# Allegro board RK_EVB1_RK3576_LP4XD200P132SD6_V12_20240530YWQ.brd (continued)
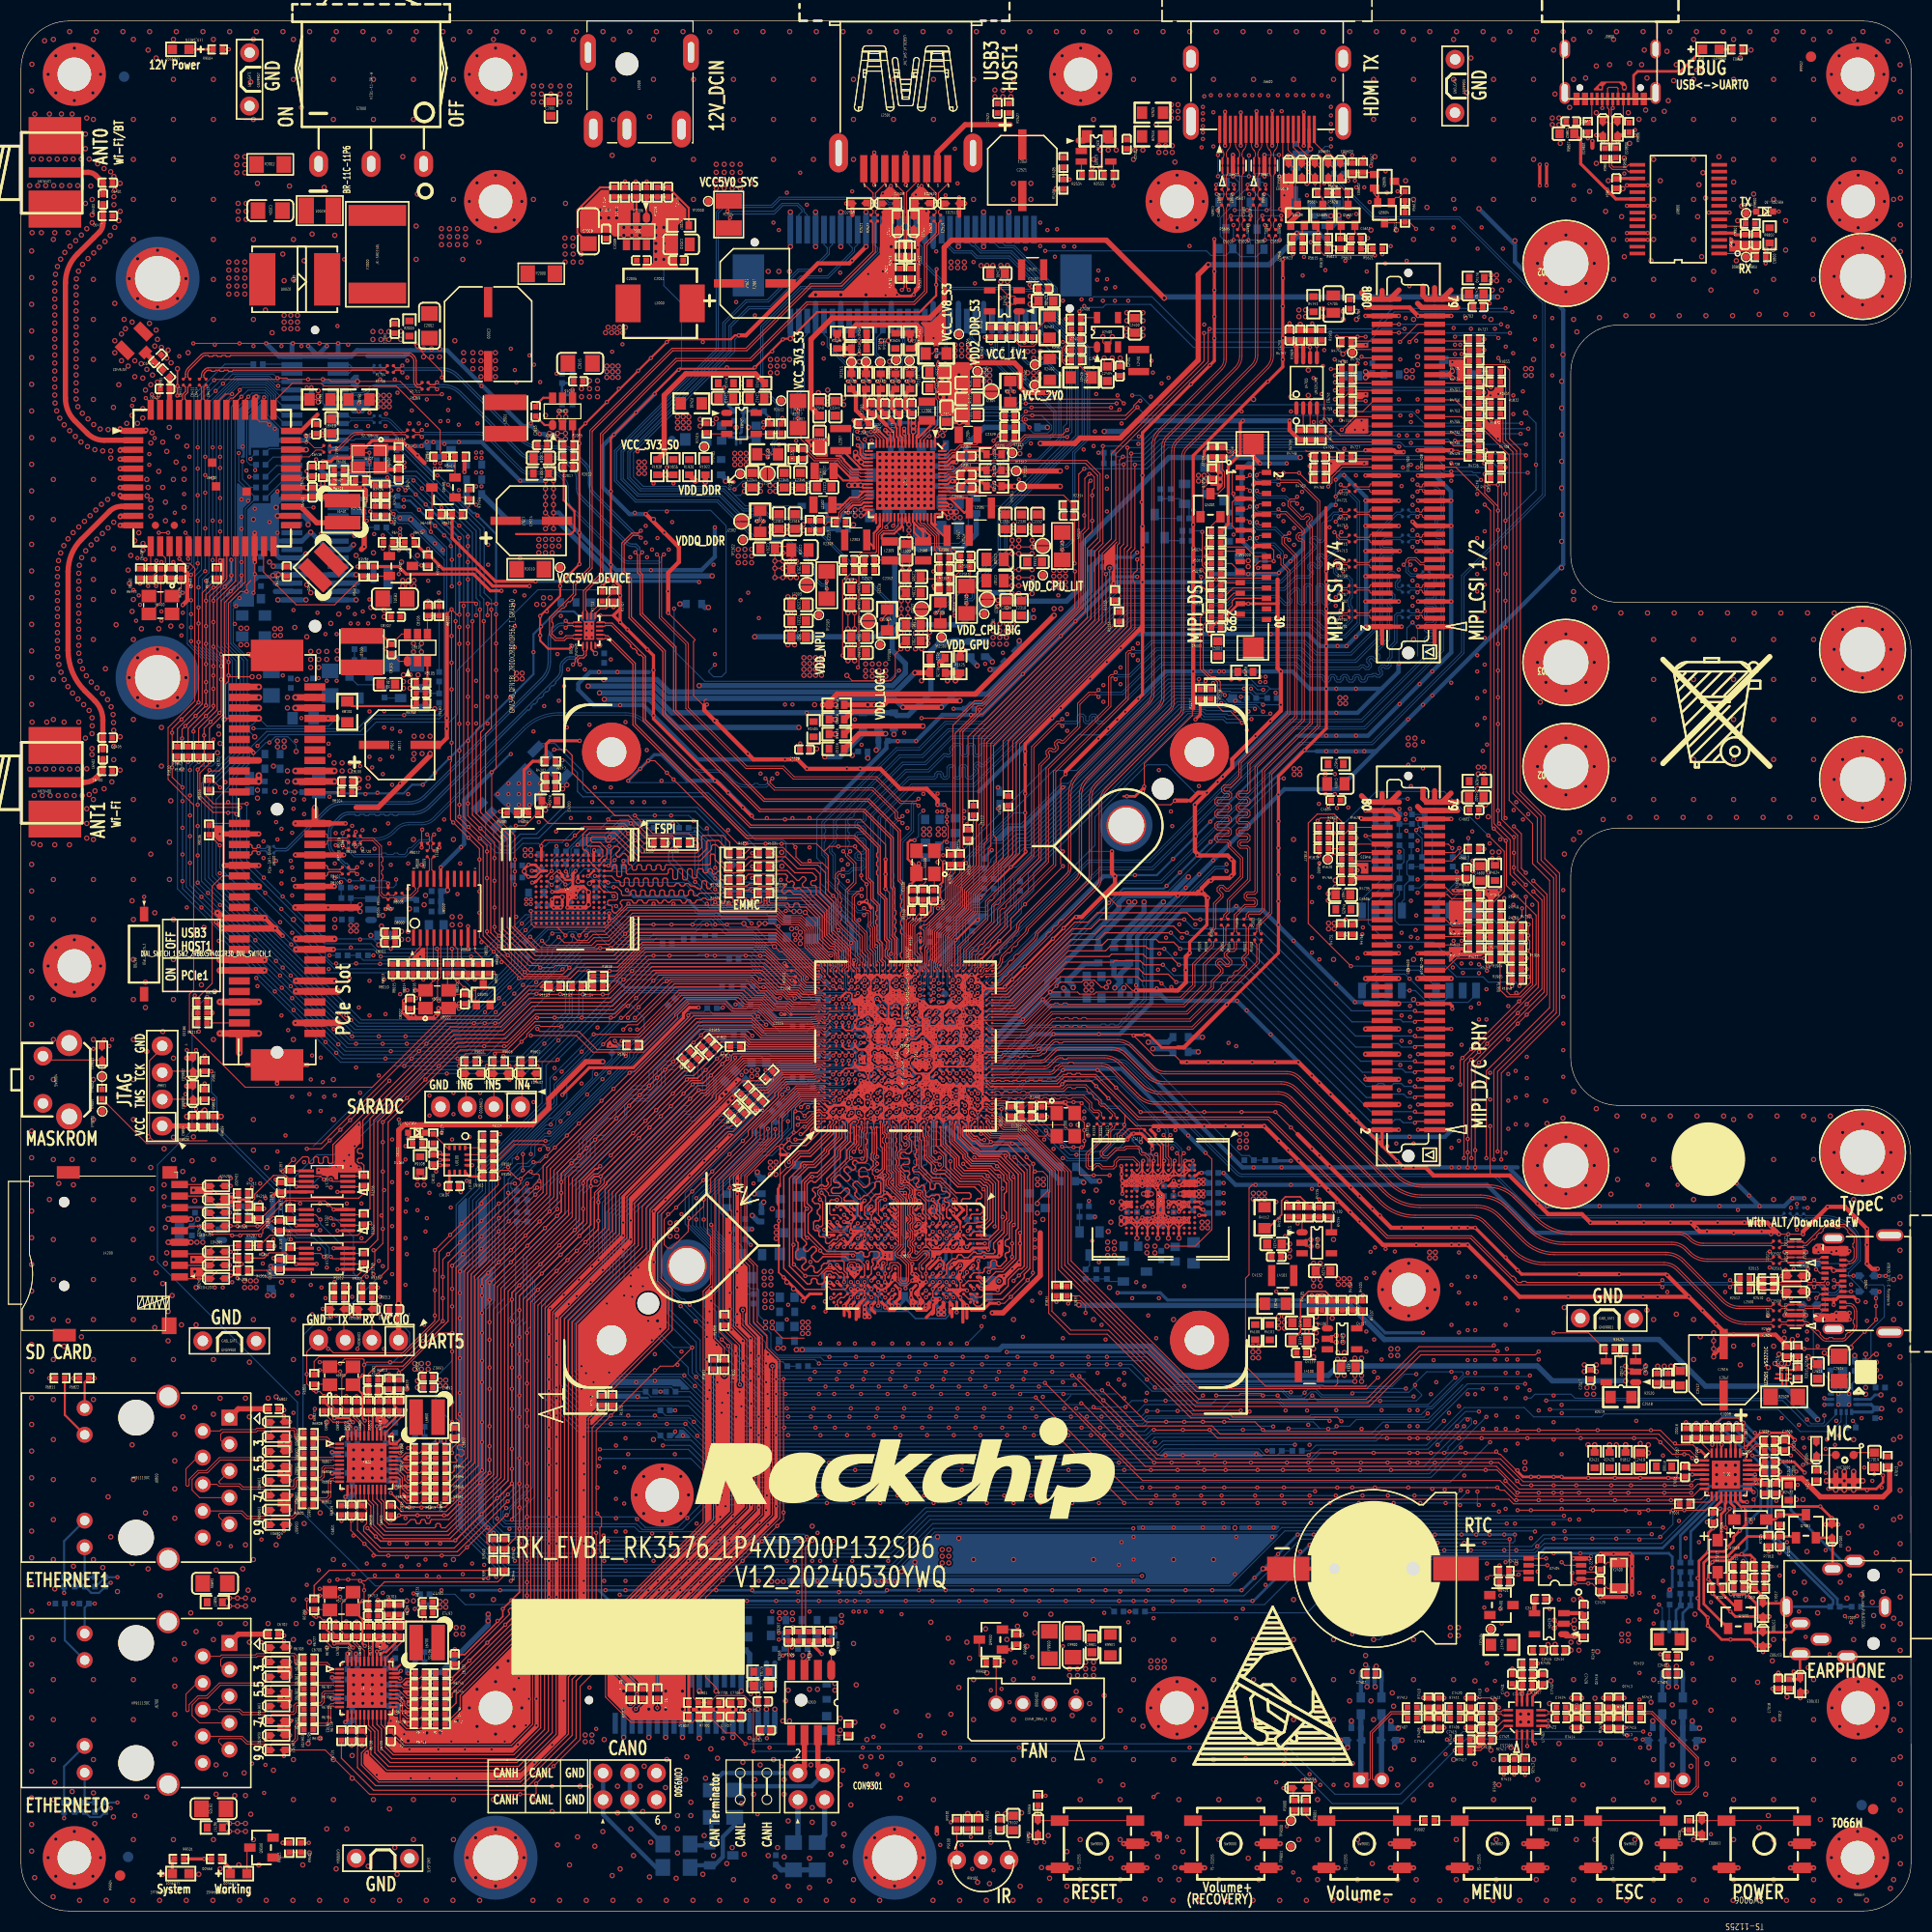
[diagram p0: board, top side]
## Copper pours and planes (outline as drawn; the poured copper is in the pictures) (continued)
VCC1V8_UFS_VCCQ2_S0_P on BOTTOM: 106.59,61.41 106.59,60.4 106.85,60.14 112.18,60.14 112.44,60.4 112.44,62.17 112.31,62.3 107.48,62.3
VCC3V3_CAN on TOP: 71.03,17.6 71.03,16.96 72.3,15.69 73.45,15.69 73.57,15.82 73.57,18.11 73.32,18.36 71.8,18.36
VCC3V3_CAN on BOTTOM: 72.3,17.85 72.3,18.49 72.49,18.68 75.16,18.68 76.24,19.76 76.24,20.39 76.37,20.52 77.26,20.52 77.38,20.39 77.38,18.23 77.13,17.98 76.11,17.98 75.86,17.72 72.43,17.72
VCC3V3_CLK on TOP: 37.38,93.67 35.47,93.67 35.35,93.54 35.35,91.89 35.47,91.77 37.38,91.77 37.51,91.89 37.51,93.54
VCC3V3_CLK on BOTTOM: 38.01,94.81 35.6,94.81 34.97,94.18 34.97,92.4 35.09,92.27 38.27,92.27 39.41,93.42 39.41,95.45 39.28,95.58 38.78,95.58
VCC3V3_CLK on L4-SIG: 38.01,93.92 36.24,93.92 35.85,93.54 35.85,88.84 36.62,88.08 42.08,88.08 42.84,88.84 42.84,89.1
VCC3V3_EMMC_S0 on BOTTOM: 50.46,96.72 51.35,96.72 51.98,97.35 51.98,97.48 52.87,98.37 53.38,98.37 53.76,97.99 53.76,97.35 53.63,97.23 52.62,97.23 52.49,97.1 52.49,96.72 51.98,96.72 51.6,96.34 51.6,95.58 51.48,95.45 49.82,95.45 49.82,96.08 49.44,96.46 49.44,97.35 49.57,97.48 50.08,97.48 50.21,97.35 50.21,96.97
VCC3V3_FSUSB_S0 on BOTTOM: 24.17,60.4 25.31,61.54 25.31,61.79 24.81,61.79 24.17,61.16 23.54,61.16 23.41,61.03 23.41,60.4
VCC3V3_GMA340_S0 on BOTTOM: 54.4,119.58 54.4,119.83 54.65,120.09 55.29,120.09 55.54,120.34 55.54,123.64 55.03,124.15 52.49,124.15 52.49,125.17 52.62,125.29 55.79,125.29 56.68,124.4 56.68,120.34 55.79,119.45 54.52,119.45
VCC3V3_LCD_S0 on TOP: 117.11,128.75 117.13,128.72 117.13,127.83 117.01,127.71 116.88,127.71 116.63,127.96 115.48,127.96 115.36,128.09 115.36,128.85 115.48,128.98 117.01,128.98 117.13,128.85 117.13,128.78
VCC3V3_LCD_S0 on BOTTOM: 115.61,130.63 114.72,130.63 114.47,130.37 114.47,129.61 115.74,128.34 116.37,128.34 116.63,128.09 116.63,127.96 116.75,127.83 117.39,127.83 117.9,128.34 117.9,128.85 117.77,128.98 117.26,128.98
VCC3V3_PCIE1 on TOP: 30.9,107.26 29.5,107.26 29.25,107.51 29.25,109.67 29.38,109.67 29.76,110.05 29.76,112.59 30.39,113.23 30.39,113.74 30.52,113.86 33.06,113.86 35.16,111.77 35.16,110.69 34.9,110.43 33.06,110.43 31.92,109.29 31.92,108.4 31.79,108.28 31.16,108.28 30.9,108.02
VCC3V3_PCIE1 on TOP: 22.27,110.05 22.01,109.8 22.01,108.91 22.14,108.78 23.03,108.78 23.28,108.53 23.28,107.39 23.54,107.13 26.71,107.13 26.71,109.93 26.58,110.05
VCC3V3_PCIE1 on BOTTOM: 31.16,107.26 31.66,107.77 31.66,109.55 31.54,109.67 29.63,109.67 29.38,109.42 23.92,109.42 23.79,109.29 23.79,107.51 24.04,107.26
VCC3V3_PCIE1_P on TOP: 30.52,114.63 33.95,114.63 34.58,115.26 34.58,119.07 34.33,119.32 30.52,119.32 30.39,119.2 30.39,114.75
VCC3V3_PCIEWL_VBAT on TOP: 24.81,140.79 26.84,140.79 27.47,141.42 30.9,141.42 31.79,142.31 31.79,144.47 31.54,144.72 29,144.72 28.87,144.6 28.87,143.07 28.74,142.95 26.33,142.95 24.81,141.42
VCC3V3_PHY0 on BOTTOM: 35.09,26.36 35.6,26.87 37.32,25.15 37.7,25.15 37.86,24.99 37.86,24.2 37,24.2 36.36,23.57 36.36,22.68 36.24,22.55 35.47,22.55 35.35,22.68 35.35,25.46 35.39,25.55 35.4,25.64 35.3,25.89 35.05,26 34.89,25.96 34.76,25.85 31.92,25.85 31.48,25.42 31.47,25.41 31.32,25.28 31.26,25.09 31.3,24.93 31.41,24.81 31.41,23.82 31.28,23.69 29.89,23.69 28.87,22.68 28.87,19.88 30.27,18.49 31.79,18.49 31.92,18.36 31.92,17.72 31.79,17.6 29.63,17.6 27.98,19.25 27.98,23.19 29.92,25.13 29.94,25.13 30.09,25.22 30.18,25.38 30.19,25.39 31.16,26.36
VCC3V3_PHY1 on BOTTOM: 35.35,48.08 35.6,48.33 37.32,46.62 37.7,46.62 37.86,46.45 37.86,45.66 37,45.66 36.93,45.6 36.93,44.97 36.36,44.39 36.36,44.14 36.24,44.01 35.47,44.01 35.35,44.14 35.35,46.92 35.39,47.01 35.4,47.11 35.3,47.35 35.05,47.46 34.89,47.42 34.76,47.32 31.92,47.32 31.48,46.88 31.47,46.88 31.32,46.75 31.26,46.55 31.3,46.39 31.41,46.27 31.41,45.28 31.28,45.16 30.9,45.16 30.65,45.41 30.14,45.41 28.87,44.14 28.87,41.35 30.27,39.95 31.79,39.95 31.92,39.82 31.92,39.19 31.79,39.06 29.63,39.06 27.98,40.71 27.98,44.65 29.92,46.59 29.94,46.59 30.09,46.69 30.18,46.84 30.19,46.85 31.41,48.08
VCC3V3_RTC_S5 on TOP: 140.5,28.65 139.36,28.65 139.11,28.39 139.11,24.96 139.49,24.58 140.5,24.58 140.63,24.71 140.63,28.52
VCC3V3_RTC_S5_P on TOP: 144.69,26.74 142.03,26.74 141.39,26.11 141.39,24.58 141.52,24.46 144.19,24.46 144.31,24.58 144.31,25.34 144.69,25.73
VCC3V3_SD_S0 on TOP: 14.01,64.21 17.31,64.21 17.57,63.95 17.57,63.57 17.31,63.32 13.88,63.32 13.63,63.57 13.63,63.83
VCC3V3_SD_S0 on BOTTOM: 17.57,64.59 14.14,64.59 13.76,64.21 13.76,63.19 13.88,63.06 19.6,63.06 19.85,63.32 19.85,63.95 19.6,64.21 17.95,64.21
VCC3V3_SENSOR_S0 on TOP: 37.38,71.83 37.25,71.95 37.25,72.72 38.78,72.72 38.9,72.84 38.9,73.35 39.03,73.48 39.41,73.48 40.17,72.72 40.17,71.95 40.05,71.83
VCC3V3_SENSOR_S0 on L4-SIG: 39.66,71.95 39.79,71.83 40.05,71.83 40.3,71.57 40.3,68.4 40.43,68.27 40.81,68.27 40.93,68.4 40.93,70.18 41.44,70.68 43.73,70.68 45.76,72.72 45.76,73.35 45.63,73.48 44.49,73.48 43.47,72.46 39.79,72.46 39.66,72.33
VCC3V3AUX_PCIE1 on TOP: 22.01,107.26 22.9,107.26 23.03,107.39 23.03,108.15 22.77,108.4 22.39,108.4 21.76,107.77 21.76,107.51
VCC3V3AUX_PCIE1 on BOTTOM: 21.5,107.39 21.25,107.64 21.25,108.4 22.77,109.93 22.77,110.43 23.03,110.69 23.54,110.69 23.6,110.62 23.6,107.32 23.54,107.26 22.65,107.26 22.52,107.39
VCC5V0_DEVICE_S0 on TOP: 51.48,130.88 51.73,130.63 51.73,127.33 51.22,126.82 48.81,126.82 48.68,126.94 48.68,130.75 48.81,130.88
VCC5V0_DEVICE_S0 on TOP: 156.5,24.96 156.5,26.61 156.38,26.74 152.31,26.74 152.19,26.61 152.19,24.96 152.31,24.84 156.38,24.84
VCC5V0_DEVICE_S0 on TOP: 117.01,118.56 116.88,118.44 116.88,117.42 117.52,116.78 118.66,116.78 118.79,116.91 118.79,118.31 118.53,118.56
VCC5V0_DEVICE_S0 on TOP: 125.52,116.02 125.26,115.77 125.26,114.88 129.33,110.82 132.88,110.82 133.01,110.94 133.01,111.96 128.95,116.02
VCC5V0_DEVICE_S0 on TOP: 108.37,172.41 108.12,172.16 108.12,170.76 108.44,170.44 110.34,170.44 110.4,170.51 110.4,172.28 110.28,172.41
VCC5V0_DEVICE_S0 on TOP: 151.68,48.08 149.14,48.08 148.76,48.46 148.76,50.74 148.88,50.87 151.55,50.87 151.93,50.49 151.93,48.33
VCC5V0_DEVICE_S0 on TOP: 140.63,156.15 139.11,156.15 138.85,155.9 138.85,154.88 140.76,154.88 140.88,155.01 140.88,155.9
VCC5V0_DEVICE_S0 on TOP: 139.61,107.13 139.74,107.26 139.74,109.16 139.61,109.29 138.72,109.29 138.47,109.04 138.47,107.39 138.72,107.13
VCC5V0_DEVICE_S0 on BOTTOM: 120.82,117.8 117.9,117.8 117.77,117.67 117.77,117.04 118.02,116.78 119.93,116.78 122.09,114.63 126.28,114.63 126.41,114.75 126.41,115.9 126.28,116.02 122.6,116.02
VCC5V0_DEVICE_S0 on BOTTOM: 33.82,94.81 31.28,94.81 31.16,94.69 31.16,93.16 31.28,93.04 32.81,93.04 33.95,94.18 33.95,94.69
VCC5V0_DEVICE_S0 on BOTTOM: 72.18,28.65 72.05,28.52 72.05,27.38 72.18,27.25 74.59,27.25 74.72,27.38 74.72,28.27 74.34,28.65
VCC5V0_DEVICE_S0 on L3-POWER: 37.32,69.1 70.72,35.69 70.72,31.63 70.78,31.57 70.78,31.44 71.48,30.74 73.51,30.74 73.83,30.42 73.83,27.25 73.19,26.61 68.75,26.61 49.06,46.3 49.06,48.59 26.58,71.06 26.58,113.86 26.65,113.93 26.65,123.96 28.49,125.8 37.63,125.8 38.14,126.31 38.14,126.69 44.74,133.29 44.74,151.84 49.22,156.31 53.25,156.31 53.87,156.93 53.87,160.09 53.57,160.39 53.57,171.71 55.41,173.55 57.7,173.55 62.52,178.38 130.85,178.38 142.85,166.38 142.85,145.61 144.69,143.77 144.69,121.1 143.93,120.34 143.93,114.24 143.87,114.18 143.87,113.67 139.74,109.55 139.74,94.94 139.87,94.81 139.87,66.87 150.66,56.08 150.66,49.35 150.54,49.35 150.03,48.84 147.11,48.84 140.88,55.06 140.88,59.38 133.52,66.75 133.52,108.08 131.87,109.74 131.87,112.09 137.96,118.18 137.96,141.42 135.3,144.09 135.3,150.57 135.33,150.6 125.26,160.66 125.26,166.57 124.06,167.77 124.06,171.33 123.23,172.16 110.91,172.16 110.53,171.78 110.53,169.87 110.15,169.49 67.73,169.49 64.68,166.44 64.68,153.23 63.99,152.53 56.24,152.53 54.14,150.44 54.14,140.03 51.48,137.36 51.48,129.74 50.71,128.98 46.65,128.98 36.62,118.94 36.62,97.29 37.32,96.59
VCC5V0_DEVICE_S0 on L4-SIG: 152.06,50.49 149.14,50.49 148.76,50.11 148.76,46.05 148.12,45.41 148.12,43.76 148.76,43.12 148.76,26.87 150.54,25.09 152.95,25.09 153.33,25.47 153.33,26.49 152.44,27.38 152.44,50.11
VCC5V0_DEVICE_S0_P on TOP: 45.13,126.94 44.74,127.33 44.74,139.01 43.98,139.77 43.98,141.42 44.11,141.55 48.05,141.55 49.44,140.15 49.44,134.44 48.43,133.42 48.43,127.07 48.3,126.94
VCC5V0_HDMI on BOTTOM: 121.33,164.28 121.71,164.28 122.09,163.9 122.09,163.14 122.21,163.01 123.36,163.01 123.48,162.89 123.48,160.35 123.36,160.22 122.59,160.22 121.07,161.74 121.07,164.03
VCC5V0_SYS_S5 on TOP: 126.79,61.92 126.79,59.51 126.66,59.38 125.14,59.38 124.25,60.27 124.25,62.94 125.77,62.94
VCC5V0_SYS_S5 on TOP: 147.49,26.61 146.47,26.61 146.34,26.49 146.34,25.98 146.73,25.6 146.73,24.58 146.85,24.46 149.14,24.46 149.39,24.71 149.39,26.23 149.14,26.49 147.61,26.49
VCC5V0_SYS_S5 on TOP: 79.19,132.78 79.21,132.83 79.21,132.89 79.2,132.98 79.17,133.06 79.16,133.07 79.16,133.38 79.38,133.59 79.99,133.59 80.07,133.6 80.14,133.63 80.18,133.65 80.28,133.55 80.28,132.79 80.15,132.66 79.29,132.66 79.19,132.76
VCC5V0_SYS_S5 on TOP: 83.78,129.92 83.78,130.8 84.14,131.16 84.15,131.16 84.23,131.22 84.29,131.3 84.29,131.3 84.34,131.35 84.34,131.37 84.34,132 84.49,132.15 84.6,132.15 84.75,132 84.75,130.06 84.83,129.98 84.72,129.87 83.84,129.87
VCC5V0_SYS_S5 on TOP: 76.72,135.2 76.72,136.09 76.75,136.11 78.06,136.11 78.14,136.03 78.31,136.03 78.36,135.99 79.5,135.99 79.54,135.97 79.54,135.6 79.46,135.53 78.29,135.53 77.83,135.07 77.49,135.07 77.49,135.07 76.85,135.07
VCC5V0_SYS_S5 on TOP: 92.81,153.92 91.3,153.92 91.23,154 91.23,156.92 91.28,156.97 92.7,156.97 92.88,156.79 92.88,153.99
VCC5V0_SYS_S5 on TOP: 68.75,162.12 69,162.38 69,166.31 68.75,166.57 64.94,166.57 64.81,166.44 64.81,162.25 64.94,162.12
VCC5V0_SYS_S5 on TOP: 108.12,169.49 108.12,167.33 108.24,167.2 109.77,167.2 109.9,167.33 109.9,169.49 109.77,169.62 108.24,169.62
VCC5V0_SYS_S5 on TOP: 104.05,151.33 104.05,152.34 104.18,152.47 106.97,152.47 107.1,152.34 107.1,151.2 104.18,151.2
VCC5V0_SYS_S5 on TOP: 126.79,50.24 126.68,50.34 126.68,50.36 126.68,50.43 126.66,50.49 126.66,50.87 126.68,51 126.68,51.06 126.66,51.13 126.66,52.42 126.68,52.55 126.68,52.61 126.66,52.68 126.66,53.79 127.8,53.79 127.8,52.9 127.93,52.78 127.93,50.36 127.8,50.24
VCC5V0_SYS_S5 on TOP: 87.79,133.05 87.79,133.14 87.9,133.24 88.2,133.24 88.2,133.85 88.29,133.94 88.43,133.79 88.53,133.89 88.77,133.89 89.66,133 89.66,132.56 89.58,132.48 88.36,132.48
VCC5V0_SYS_S5 on TOP: 86.91,140.79 87.44,141.33 87.5,141.41 87.52,141.51 87.52,141.83 87.67,141.98 87.67,142.18 88.66,142.18 88.66,141.17 87.49,140 87.49,139.66 87.48,139.64 87.29,139.64 87.29,140.15 87.18,140.25 86.96,140.25 86.94,140.28 86.91,140.31
VCC5V0_SYS_S5 on BOTTOM: 78.4,138.25 79.29,139.14 79.69,139.14 79.8,139.03 80.43,139.03 80.54,138.92 80.54,138.11 80.13,137.69 80.13,134.06 80.94,134.06 81.32,133.68 81.32,132.28 79.67,132.28 79.23,132.71 79.23,132.8 79.22,132.86 79.19,132.92 79.19,133.29 79.16,133.29 79.03,133.42 78.53,133.42 78.4,133.55
VCC5V0_SYS_S5 on BOTTOM: 84.26,131.89 84.62,132.25 86.02,132.25 86.38,131.9 86.38,130.75 86.13,130.51 84.5,130.51 84.26,130.74
VCC5V0_SYS_S5 on BOTTOM: 88.17,133.29 88.3,133.42 88.3,134.46 88.64,134.8 88.7,134.82 89.71,134.82 89.93,134.6 89.93,131.26 89.68,131.01 88.79,131.01 88.3,131.5 88.3,132.39 88.29,132.43 88.28,132.47 88.28,132.53 88.17,132.65
VCC5V0_SYS_S5 on BOTTOM: 84.7,140.71 84.7,142.16 84.82,142.28 85.89,142.28 86.27,141.9 86.27,140.7 86.2,140.59 86.18,140.44 86.02,140.28 85.13,140.28
VCC5V0_SYS_S5 on BOTTOM: 86.87,140.54 86.87,141.04 87.1,141.27 88.97,141.27 89.42,140.81 89.42,137.87 89.3,137.74 88.98,137.74 88.86,137.83 88.71,137.87 88.69,137.87 88.65,137.91 88.64,137.93 88.58,138.04 88.46,138.09 88.44,138.09 88.41,138.12 88.03,138.12 87.9,138.25 87.9,139.31 87.94,139.31 87.94,139.94 87.9,139.94 87.9,140.03 87.65,140.28 87.24,140.28 87.2,140.29 87.17,140.29 87.02,140.29 86.88,140.44 86.88,140.5
VCC5V0_SYS_S5 on L3-POWER: 148.5,24.46 148.63,24.58 148.63,28.14 148.38,28.39 136.57,28.39 135.55,27.38 135.55,24.71 135.8,24.46
VCC5V0_SYS_S5 on L3-POWER: 89.7,133.42 88.18,134.95 88.18,137.61 88.31,137.74 89.19,137.74 89.32,137.87 89.32,140.66 87.67,142.31 84.88,142.31 84.62,142.06 84.62,140.66 84.24,140.28 82.34,140.28 81.57,141.04 81.57,147.9 86.27,152.6 87.29,152.6 87.67,152.98 87.67,155.77 87.73,155.84 87.73,156.98 88.31,157.55 90.08,157.55 91.35,156.28 99.74,156.28 105.07,150.95 112.69,150.95 112.94,151.2 119.29,151.2 128.44,142.06 128.44,120.47 126.98,119.01 126.98,114.56 126.41,113.99 126.41,95.7 126.72,95.38 126.72,72.84 125.14,71.25 125.14,59.13 127.42,56.84 127.42,54.17 126.79,53.54 126.79,50.24 126.91,50.11 130.85,50.11 135.55,54.81 135.55,60.27 131.99,63.83 131.99,86.69 133.39,88.08 133.39,107.89 131.74,109.55 131.74,112.34 137.58,118.18 137.58,141.55 135.11,144.03 135.11,150.63 125.01,160.73 125.01,161.74 124.88,161.87 124.63,161.87 121.58,158.82 115.36,158.82 113.2,160.98 113.2,165.17 109.26,169.11 67.6,169.11 64.81,166.31 64.81,150.57 66.08,149.3 72.81,149.3 73.57,148.53 73.57,144.34 73,143.77 73,139.71 75.99,136.72 75.99,134.31 79.67,130.63 84.88,130.63 86.65,132.41 89.58,132.41 89.7,132.53
VCC5V0_SYS_S5 on L4-SIG: 135.68,25.85 137.07,25.85 137.33,26.11 137.33,34.11 131.49,39.95 131.49,49.73 132.37,50.62 132.37,53.41 131.74,54.05 130.22,54.05 129.83,53.67 129.83,50.49 128.06,48.71 128.06,33.47
VCC5V0_SYS_S5_P on TOP: 65.45,151.07 62.91,151.07 62.78,151.2 62.78,160.47 63.29,160.98 68.62,160.98 68.94,160.66 68.94,154.57
VCC5V0_USB3_HOST1 on TOP: 87.59,167.35 87.59,164.69 86.96,164.69 86.96,170.17 88.3,171.52 94.92,171.52 95.8,170.63 101.64,170.63 102.02,170.25 102.02,168.35 101.89,168.22 100.24,168.22 99.74,167.71 99.74,166.82 99.61,166.7 94.02,166.7 91.1,169.62 89.85,169.62
VCC5V_FT232_DEBUG on TOP: 148.76,170.76 149.27,171.27 149.27,173.3 150.41,174.44 152.69,174.44 153.08,174.06 153.08,173.55 153.46,173.17 153.46,172.03 153.58,171.9 153.84,171.9 153.96,172.03 153.96,173.17 153.84,173.3 153.84,173.93 154.22,174.32 154.22,175.08 153.96,175.33 150.41,175.33 149.14,174.06 149.14,173.81 148.69,173.36 148.69,171.84 148.31,171.46 148.06,171.46 147.74,171.14 147.74,170 147.36,169.62 147.36,166.95 151.42,162.89 153.2,162.89 153.2,163.14 152.82,163.52 151.81,163.52 148.76,166.57
VCC5V_HDMI_TX on BOTTOM: 122.72,168.22 122.98,168.22 123.23,167.97 123.23,167.84 122.53,167.14 122.15,167.14 121.83,166.82 121.83,164.69 121.71,164.56 121.43,164.56 121.4,164.54 121.07,164.54 120.82,164.79 120.82,166.7 121.07,166.95 121.07,167.46 121.33,167.71 122.21,167.71 122.31,167.81 122.32,167.81 122.42,167.88 122.49,167.98 122.49,167.99
VCC12_VDCIN on TOP: 38.14,164.92 41.32,164.92 42.59,166.19 55.29,166.19 55.54,166.44 55.54,171.14 55.22,171.46 39.09,171.46 37.25,169.62 37.25,165.81
VCC12V_DCIN on TOP: 123.48,152.73 121.58,152.73 121.45,152.6 121.45,151.71 121.58,151.58 123.48,151.58 123.61,151.71 123.61,152.6
VCC12V_DCIN on TOP: 37.51,121.1 38.01,121.1 38.01,122.25 38.27,122.5 38.27,126.82 38.14,126.94 36.24,126.94 35.85,126.56 35.85,122.88 36.11,122.63 37,122.63 37.51,122.12
VCC12V_DCIN on TOP: 124.91,108.85 124.91,109.74 124.66,109.99 122.15,109.99 120.94,108.78 120.94,107.89 121.07,107.77 121.96,107.77 122.92,108.73 124.78,108.73
VCC12V_DCIN on TOP: 56.05,159.58 56.37,159.27 57.89,159.27 58.08,159.08 58.08,158.19 55.79,155.9 55.79,151.84 55.29,151.33 55.29,148.92 55.03,148.66 53.51,148.66 52.87,148.03 52.87,145.49 52.75,145.36 52.36,145.36 51.86,144.85 51.86,143.71 51.22,143.71 51.22,144.72 50.46,145.49 50.08,145.49 49.95,145.61 49.95,158.57 50.97,159.58
VCC12V_DCIN on TOP: 103.16,24.84 102.91,24.58 102.91,22.55 103.04,22.42 108.5,22.42 109.2,23.12 109.2,24.26 108.63,24.84
VCC12V_DCIN on BOTTOM: 32.93,117.04 35.22,117.04 36.62,118.44 36.62,120.47 38.14,121.99 38.14,126.82 38.01,126.94 36.24,126.94 36.11,126.82 36.11,124.28 32.3,120.47 32.3,117.67
VCC12V_DCIN on L3-POWER: 53.63,159.84 53.38,160.09 46.01,160.09 40.55,154.63 40.55,144.6 40.17,144.22 40.17,140.41 40.55,140.03 40.55,137.23 36.62,133.29 34.33,133.29 33.82,132.79 33.82,126.06 33.95,125.93 37.63,125.93 37.89,126.18 37.89,126.75 44.49,133.36 44.49,151.96 49.19,156.66 53.38,156.66 53.63,156.92
VCC12V_DCIN on L4-SIG: 65.06,165.93 65.06,166.57 66.21,167.71 73.19,167.71 75.61,165.3 104.05,165.3 104.82,164.54 104.82,160.73 115.36,150.19 115.36,139.77 115.1,139.52 115.1,138.76 115.36,138.5 115.36,130.82 118.21,127.96 118.21,119.13 119.55,117.8 119.55,109.16 120.44,108.28 120.44,107.51 120.25,107.32 119.36,107.32 118.91,106.88 118.91,82.62 117.64,81.35 117.64,72.84 114.85,70.05 114.85,65.1 108.75,59 108.75,58.36 108.5,58.11 108.5,27.88 107.36,26.74 107.36,23.06 107.48,22.93 110.02,22.93 115.17,28.07 115.17,57.79 117.13,59.76 117.13,63.44 121.71,68.02 121.71,104.72 123.36,106.37 123.36,136.98 121.45,138.88 121.45,151.33 121.71,151.58 122.6,151.58 122.79,151.77 122.79,154.57 122.34,155.01 119.17,155.01 113.58,160.6 113.58,165.81 107.42,171.97 61.83,171.97 51.48,161.62 51.48,156.92 51.86,156.54 57.44,156.54 59.98,159.08 59.98,160.85
VCC12V_DCIN_P on TOP: 49.06,151.07 49.06,156.66 48.94,156.79 31.79,156.79 30.52,158.06 27.85,158.06 27.73,157.93 27.73,152.73 29.25,152.73 31.09,150.88 48.87,150.88
VCC12V_PCIE1 on TOP: 25.44,117.04 22.27,117.04 22.14,116.91 22.14,114.12 22.27,113.99 26.33,113.99 26.46,114.12 26.46,116.02
VCC12V_PCIE1 on BOTTOM: 22.52,116.91 22.27,116.66 22.27,114.63 23.92,112.97 26.33,112.97 26.46,113.1 26.46,116.53 26.08,116.91
VCC12VDC on TOP: 30.58,167.65 30.27,167.33 30.27,164.54 28.87,163.14 28.87,160.6 29,160.47 36.74,160.47 36.87,160.6 36.87,163.01 35.6,164.28 35.6,167.08 35.03,167.65
VCC_1V1_NLDO_S3 on TOP: 96.94,148.79 95.67,148.79 95.54,148.66 95.54,147.14 95.67,147.01 98.59,147.01 98.72,147.14 98.72,150.44 98.59,150.57 97.32,150.57 97.2,150.44 97.2,149.04
VCC_1V1_NLDO_S3 on BOTTOM: 82.34,141.42 84.22,141.42 84.37,141.27 84.37,140.15 84.11,139.9 82.59,139.9 82.46,140.03 82.46,140.53 82.08,140.91 82.08,141.17
VCC_1V1_NLDO_S3 on L3-POWER: 84.11,140.41 82.59,140.41 81.83,141.17 81.83,147.77 86.4,152.34 95.42,152.34 97.58,150.19 97.58,147.9 97.32,147.65 96.31,147.65 93.39,150.57 87.8,150.57 86.27,149.04 86.27,144.22 84.37,142.31 84.37,140.66
VCC_1V1_NLDO_S3_P on TOP: 98.65,151.25 97.38,151.25 97.25,151.38 97.25,152.4 97.51,152.65 97.51,154.81 97.47,154.84 97.47,154.88 97.43,154.88 97,155.32 97,157.35 98.27,157.35 98.78,156.84 98.78,151.38
VCC_1V8_S0 on TOP: 50.21,106.24 49.32,106.24 49.06,105.99 49.06,105.35 49.82,104.59 50.08,104.59 50.46,104.97 50.46,105.99
VCC_1V8_S0 on TOP: 152.19,43.38 152.19,44.39 151.93,44.65 150.92,44.65 150.79,44.52 150.79,43.38 150.92,43.25 152.06,43.25
VCC_1V8_S0 on TOP: 141.01,100.98 140.88,101.11 139.99,101.11 139.83,100.94 139.83,99.42 140.12,99.13 140.88,99.13 140.96,99.21 140.96,99.3 141.03,99.37 141.01,99.39
VCC_1V8_S0 on BOTTOM: 60.24,136.6 61.38,137.74 66.97,137.74 67.1,137.87 67.1,138.82 66.97,138.95 64.24,138.95 63.67,139.52 63.67,140.79 61.13,140.79 58.59,138.25 58.59,136.72 58.71,136.6
VCC_1V8_S0 on BOTTOM: 44.36,136.85 43.98,137.23 43.22,137.23 43.09,137.1 43.09,136.72 43.09,136.72 43.09,135.58 43.22,135.45 43.86,135.45 44.36,135.96
VCC_1V8_S0 on BOTTOM: 38.14,22.42 40.17,22.42 44.87,27.12 44.87,28.52 44.74,28.65 44.24,28.65 43.86,28.27 43.86,27.5 42.33,25.98 41.32,25.98 39.41,24.07 39.41,23.57 38.9,23.06 38.14,23.06
VCC_1V8_S0 on BOTTOM: 49.95,100.91 49.82,101.04 49.19,101.04 48.94,101.29 47.79,101.29 47.67,101.16 47.67,100.27 47.79,100.15 49.82,100.15 49.95,100.27
VCC_1V8_S0 on BOTTOM: 144.06,146.12 144.06,147.01 143.93,147.14 139.61,147.14 139.49,147.01 139.49,146.12 139.61,145.99 143.93,145.99
VCC_1V8_S0 on L3-POWER: 57.57,122.12 57.57,116.4 53.63,112.47 53.63,105.35 57.06,101.93 57.06,78.56 62.91,72.72 62.91,64.21 62.65,63.95 60.37,63.95 49.44,74.87 49.44,97.35 47.35,99.45 47.35,101.23 43.98,104.59 43.98,108.91 46.65,111.58 46.65,117.8 50.71,121.86 50.71,123.39 51.73,124.4 52.49,124.4 57.06,128.98 57.06,136.6 58.71,138.25 63.29,138.25 63.41,138.12 63.41,134.82 65.06,133.17 65.06,129.61
VCC_1V8_S0 on L3-POWER: 139.93,67.19 150.92,56.21 150.92,41.73 147.87,38.68 91.48,38.68 79.92,27.12 79.92,21.03 77.89,18.99 69.13,18.99 63.03,25.09 52.62,25.09 44.36,33.35 44.36,36.01 44.11,36.27 44.11,36.65 44.36,36.9 44.36,43.12 42.33,45.16 39.54,45.16 39.28,44.9 39.28,44.01 40.3,43 40.3,30.81 53.51,17.6 65.06,17.6 67.86,14.8 78.4,14.8 94.53,30.93 147.36,30.93 148.63,32.2 156.12,32.2 160.7,36.77 160.7,52.9 143.93,69.67 143.93,72.72 144.63,73.41 144.63,106.5 143.68,107.45 143.68,109.55 143.74,109.61 143.74,110.5 145.77,112.53 145.84,112.47 150.79,112.47 152.57,114.24 152.57,121.48 150.54,123.52 147.74,123.52 146.22,125.04 146.22,144.85 143.93,147.14 143.17,147.14 143.04,147.01 143.04,145.74 144.95,143.84 144.95,122.5 145.2,122.25 148.38,122.25 150.41,120.21 150.41,116.02 148.38,113.99 144.63,113.99 139.93,109.29
VCC_1V8_S0 on L4-SIG: 47.92,117.04 48.05,117.17 48.05,118.18 46.65,119.58 46.65,135.33 44.62,137.36 42.2,137.36 42.01,137.17 42.01,119.13 44.11,117.04
VCC_1V8_S0 on L4-SIG: 60.87,65.98 60.75,65.86 60.75,60.52 62.4,58.87 62.4,52.14 81.96,32.58 88.43,32.58 88.75,32.9 88.75,35.95 69.13,55.57 69.13,63.83 68.75,64.21 66.46,64.21 65.19,65.48 63.54,65.48 63.03,65.98
VCC_1V8_S0_P on BOTTOM: 67.22,140.66 66.08,140.66 65.83,140.91 64.56,140.91 64.56,139.64 64.68,139.52 68.24,139.52 68.24,140.41 67.48,140.41
VCC_1V8_S3 on TOP: 104.31,63.95 103.29,63.95 103.16,63.83 103.16,61.79 104.69,60.27 115.23,60.27 116.5,61.54 116.5,71.32 117.64,72.46 117.64,73.73 117.01,74.37 114.72,74.37 113.58,73.22 113.58,64.08 111.8,62.3 105.96,62.3
VCC_1V8_S3 on TOP: 90.28,147.72 87.67,147.72 87.67,149.04 88.31,149.68 88.31,157.17 88.43,157.3 90.34,157.3 90.59,157.04 90.59,148.03
VCC_1V8_S3 on TOP: 89.96,118.94 89.83,118.82 89.19,118.82 89.07,118.94 89.07,120.09 89.32,120.34 89.83,120.34 89.96,120.21
VCC_1V8_S3 on BOTTOM: 72.56,56.59 72.68,56.71 72.68,59 72.56,59.13 70.78,59.13 70.53,58.87 70.53,56.97 70.91,56.59
VCC_1V8_S3 on BOTTOM: 102.15,60.78 105.07,60.78 105.58,61.29 105.58,63.83 105.45,63.95 103.16,63.95 103.04,63.83 103.04,61.54 102.91,61.41 102.15,61.41 102.02,61.29 102.02,60.9
VCC_1V8_S3 on BOTTOM: 43.98,139.26 43.22,139.26 43.09,139.14 43.09,137.61 43.35,137.36 44.24,137.36 44.36,137.49 44.36,138.88
VCC_1V8_S3 on BOTTOM: 75.61,136.47 78.89,139.76 78.89,141.82 79.4,142.33 79.94,142.33 80.81,143.2 89.96,143.2 90.59,143.84 90.59,149.3 90.46,149.42 88.56,149.42 88.43,149.3 88.43,147.26 88.05,146.88 86.02,146.88 85.38,146.25 85.38,145.61 85.13,145.36 77.51,145.36 77.13,144.98 77.13,143.33 74.27,140.47 74.27,139.71 74.02,139.45 72.88,139.45 71.54,138.12 71.03,138.12 70.78,138.37 70.78,140.15 70.4,140.53 68.62,140.53 68.49,140.41 68.49,139.52 68.62,139.39 69.26,139.39 69.38,139.26 69.38,136.6 69.51,136.47
VCC_1V8_S3 on L3-POWER: 88.31,157.3 90.21,157.3 91.35,156.15 99.74,156.15 104.69,151.2 104.69,149.93 105.32,149.3 120.94,149.3 128.06,142.18 128.06,120.47 126.66,119.07 126.66,114.5 126.15,113.99 126.15,94.94 125.77,94.56 124.37,94.56 123.74,93.92 123.74,76.65 119.17,72.08 115.86,72.08 115.1,72.84 115.1,75.64 119.42,79.95 119.42,93.67 122.09,96.34 122.09,119.32 123.48,120.72 123.48,137.17 123.45,137.2 123.45,139.3 118.09,144.66 101.58,144.66 101.51,144.72 101.13,144.72 97.83,148.03 97.83,150.19 95.54,152.47 88.56,152.47 87.92,153.11 87.92,156.92
VCC_1V8_S3 on L3-POWER: 102.78,64.08 104.18,64.08 105.01,63.25 105.01,56.65 97.83,49.47 72.18,49.47 67.1,54.55 67.1,57.73 68.37,59 71.8,59 72.3,58.49 72.3,55.32 73.7,53.92 92.62,53.92
VCC_1V8_S3 on L4-SIG: 90.59,133.8 90.59,119.71 89.58,119.71 89.45,119.83 89.45,120.21 89.7,120.47 89.7,124.02 89.07,124.66 89.07,125.8 90.08,126.82 90.08,148.79 90.34,148.79 90.46,148.66 90.46,139.26 91.48,138.25 91.48,134.69
VCC_1V8_S3 on L4-SIG: 90.34,156.41 90.08,156.15 86.78,156.15 86.27,156.66 71.16,156.66 52.49,137.99 43.22,137.99 42.97,138.25 42.97,140.15 43.86,141.04 43.98,141.04 45.76,142.82 48.17,142.82 53,147.65 57.7,147.65 68.49,158.44 70.27,158.44 70.53,158.69 70.53,158.95 70.78,159.2 90.08,159.2 90.34,158.95
VCC_1V8_S3_P on TOP: 85.32,143.41 85.32,148.79 85.45,148.92 86.65,148.92 86.65,147.9 87.03,147.53 87.03,147.14 87.03,147.13 87.03,145.96 87.01,145.88 87,145.8 87.01,145.73 87.03,145.65 87.03,143.48 86.9,143.35 85.38,143.35
VCC_2V0_PLDO_P on TOP: 101.51,146.76 102.53,146.76 102.78,146.5 104.94,146.5 104.98,146.54 105.02,146.54 105.02,146.58 105.45,147.01 107.48,147.01 107.48,145.74 106.97,145.23 101.26,145.23 101.13,145.36 101.13,146.38
VCC_2V0_PLDO_S3 on TOP: 100.62,146.76 100.75,146.63 100.75,145.11 100.62,144.98 95.8,144.98 95.54,145.23 95.54,146.63 95.67,146.76
VCC_2V0_PLDO_S3 on BOTTOM: 87.9,136.34 87.9,136.98 88.66,136.98 89.42,136.22 89.42,136.07 89.32,135.96 88.65,135.96 88.64,136.01 88.58,136.13 88.46,136.18 88.44,136.18 88.28,136.34
VCC_2V0_PLDO_S3 on L3-POWER: 88.43,136.09 88.56,135.96 90.85,135.96 91.67,136.79 91.67,142.06 91.16,142.57 91.16,147.01 91.39,147.23 94.27,147.23 95.89,145.61 97.2,145.61 97.32,145.74 97.32,147.39 97.2,147.52 96.18,147.52 93.26,150.44 87.8,150.44 86.65,149.3 86.65,143.58 89.58,140.66 89.58,137.61 89.19,137.23 88.56,137.23 88.43,137.1
VCC_3V3_S0 on TOP: 116.88,54.55 117.13,54.81 118.02,54.81 118.15,54.68 118.15,52.52 118.02,52.4 117.13,52.4 116.88,52.65
VCC_3V3_S0 on TOP: 28.36,143.2 26.96,143.2 26.84,143.33 26.84,144.6 26.96,144.72 27.85,144.72 28.11,144.98 28.36,144.98 28.62,144.72 28.62,143.45
VCC_3V3_S0 on TOP: 150.41,43.38 150.41,44.39 150.15,44.65 149.14,44.65 149.01,44.52 149.01,43.38 149.14,43.25 150.28,43.25
VCC_3V3_S0 on TOP: 72.81,30.68 72.3,30.68 70.14,28.52 70.14,22.42 70.02,22.3 69.64,22.3 69.45,22.49 69.45,29.73 71.41,31.69 72.68,31.69 72.94,31.44 72.94,30.81
VCC_3V3_S0 on TOP: 63.92,144.6 64.18,144.85 67.1,144.85 67.22,144.98 67.22,145.74 66.97,145.99 63.67,145.99 61.76,144.09 61.76,137.99 61.89,137.87 65.7,137.87 65.83,137.99 65.83,139.52 65.45,139.9 64.3,139.9 63.92,140.28
VCC_3V3_S0 on TOP: 38.65,70.68 38.52,70.81 37.38,70.81 37.25,70.68 37.25,69.16 37.51,68.91 38.52,68.91 38.65,69.03
VCC_3V3_S0 on TOP: 125.52,95.77 124.5,95.77 123.87,95.14 123.87,93.54 124.12,93.29 125.39,93.29 125.39,94.25 125.64,94.5 125.64,95.64
VCC_3V3_S0 on BOTTOM: 131.1,147.01 130.85,146.76 130.85,145.87 130.98,145.74 132.63,145.74 132.76,145.87 132.76,146.88 132.63,147.01
VCC_3V3_S0 on BOTTOM: 21.76,120.47 21.76,122.2 21.5,122.45 20.49,122.45 20.36,122.33 20.36,120.85 20.87,120.34 21.63,120.34
VCC_3V3_S0 on BOTTOM: 27.47,151.71 26.84,151.07 26.84,150.57 26.71,150.44 24.81,150.44 24.3,150.95 24.3,153.36 26.71,155.77 49.06,155.77 55.41,149.42 56.56,149.42 57.32,148.66 57.32,145.87 56.94,145.49 55.67,145.49 55.03,146.12 52.24,146.12 52.11,146.25 52.11,146.63 51.86,146.88 50.59,146.88 45.76,151.71
VCC_3V3_S0 on BOTTOM: 38.2,25.03 38.14,24.96 38.14,23.44 38.27,23.31 38.78,23.31 39.03,23.57 39.03,24.07 41.06,26.11 42.2,26.11 42.33,26.23 42.33,27.25 42.2,27.38 40.17,27.38 38.2,25.41
VCC_3V3_S0 on BOTTOM: 38.9,44.78 38.27,44.78 38.14,44.9 38.14,50.74 37.76,51.13 37.44,51.13 37.19,51.38 37.19,52.2 37.51,52.52 38.9,52.52 39.16,52.27 39.16,45.03
VCC_3V3_S0 on BOTTOM: 51.6,124.15 48.94,124.15 48.81,124.28 48.81,124.53 49.57,125.29 51.6,125.29 51.73,125.17 51.73,124.28
